# Altium PCB SAMW25_Xplained_Pro.PcbDoc (part 5 of 9) (continued)
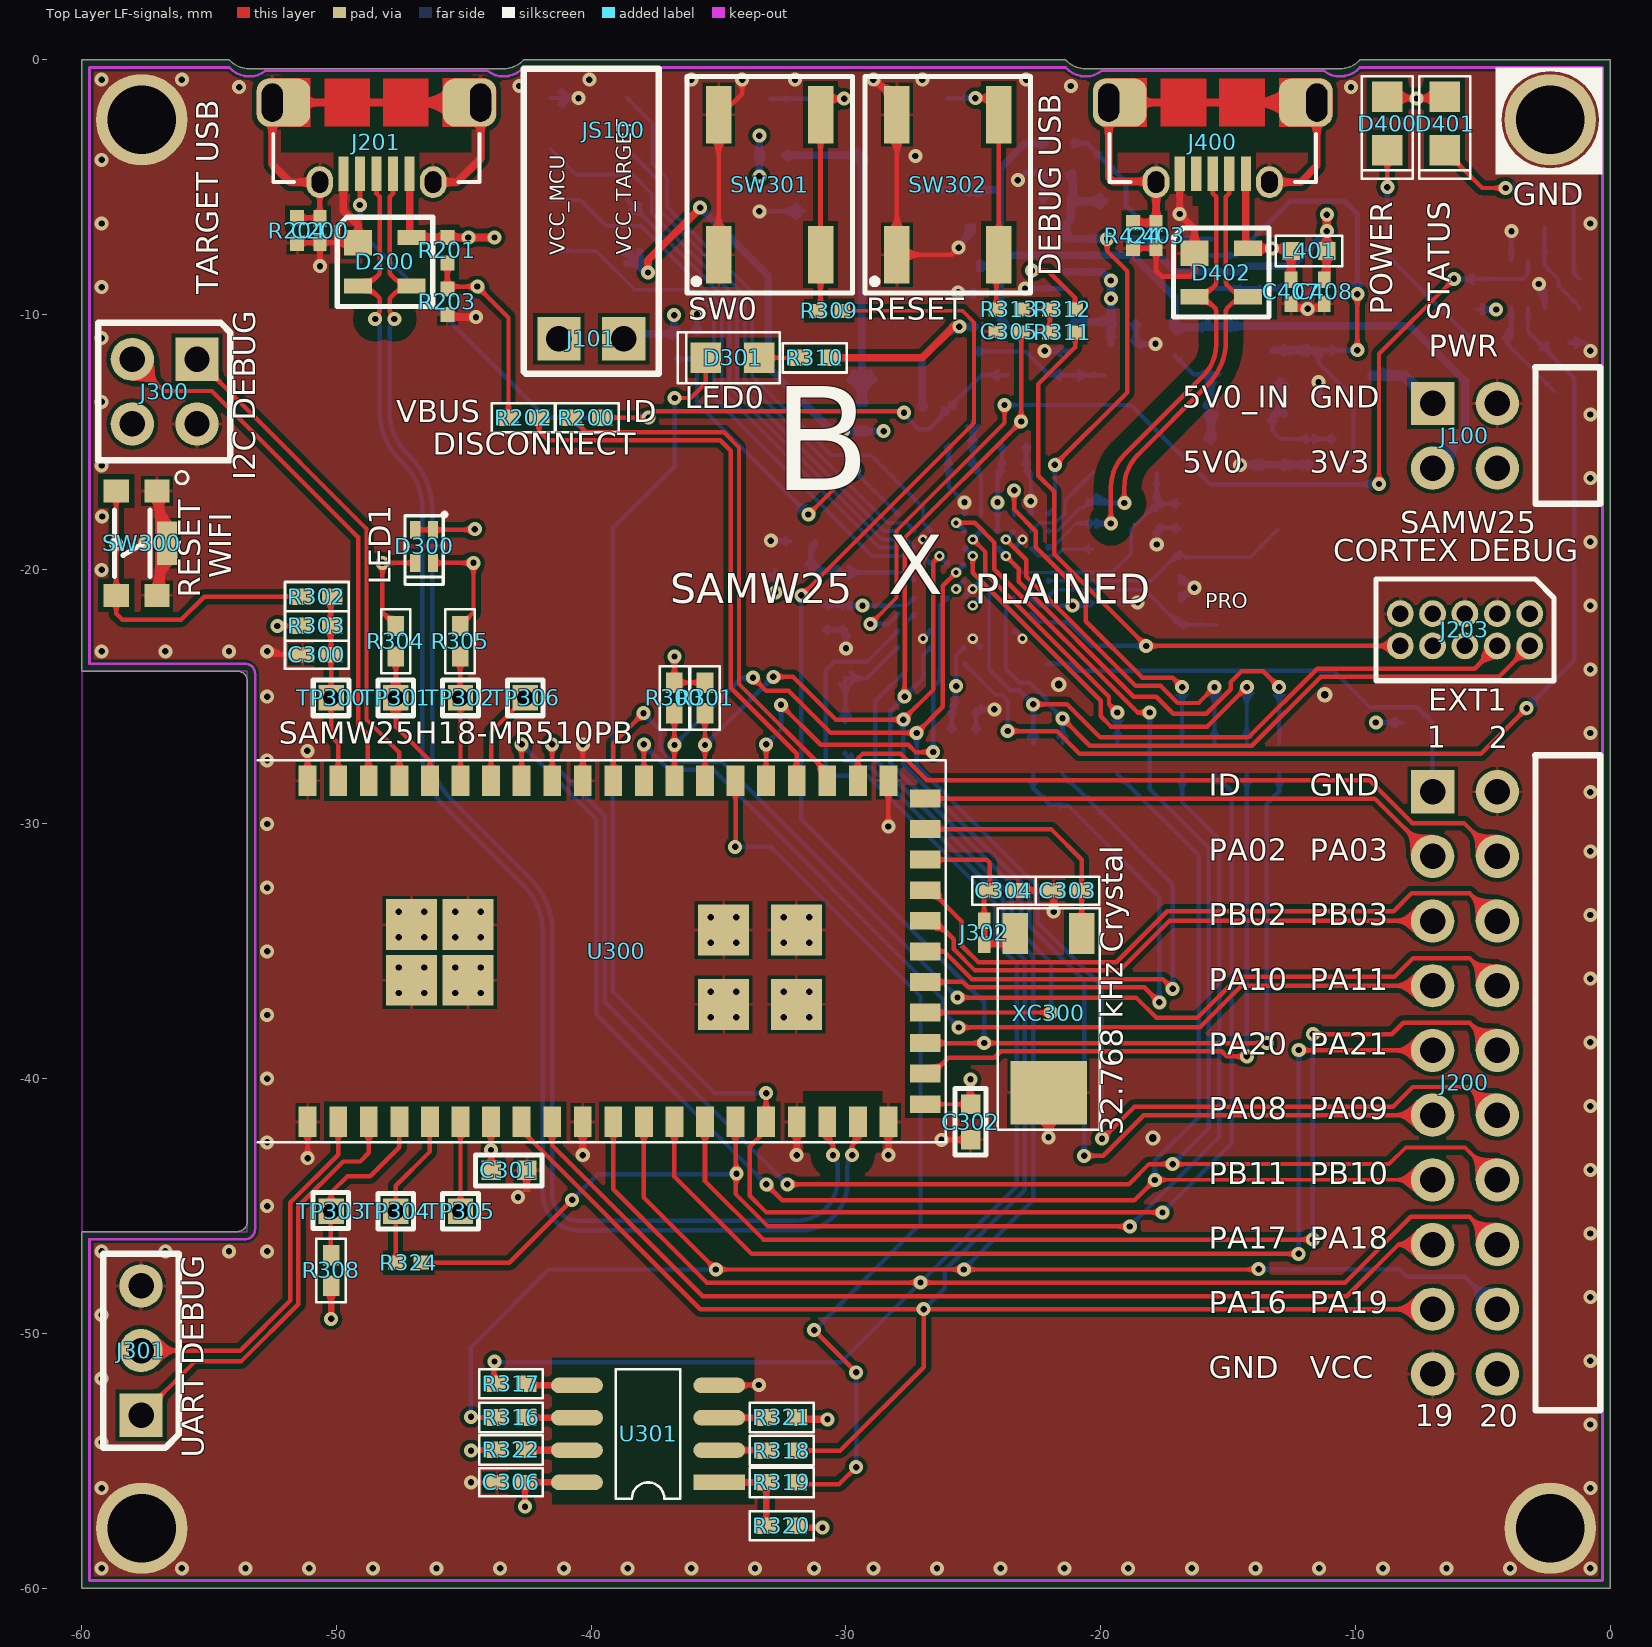
[diagram p0: Top Layer LF-signals view]
## Nets (pads, with @x,y where several pads share a name; then routed paths per layer and width w, separated by ;. In a path a pad name is that pad's centre, name@x,y a point inside that pad or via, vN(x,y) a via of type N, cw(c..) or ccw(c..) an arc to the next point about the centre after c; other vN are vias at no path point) (continued)
  Bottom Layer LF-signals w0.3: v1(-14.525,-15.9) Q102.2@-13.25,-15.9 -11.796,-15.9 R108.1@-11.775,-15.879 ; v1@-14.437,-15.988 cw(c-14.223,-16.202) -14.223,-15.9 ; v1@-14.437,-15.988 cw(c-14.223,-16.202) -14.223,-15.9 ; v1@-14.437,-15.988 cw(c-14.223,-16.202) -14.223,-15.9 ; v1@-14.437,-15.812 ccw(c-14.223,-15.598) -14.223,-15.9 ; v1@-14.437,-15.812 ccw(c-14.223,-15.598) -14.223,-15.9 ; v1@-14.437,-15.812 ccw(c-14.223,-15.598) -14.223,-15.9 ; -13.962,-15.9 cw(c-13.962,-16.262) Q102.2@-13.706,-16.006 ; -13.962,-15.9 ccw(c-13.962,-15.538) Q102.2@-13.706,-15.794 ; -13.962,-15.9 ccw(c-13.962,-15.538) Q102.2@-13.706,-15.794 ; -13.962,-15.9 cw(c-13.962,-16.262) Q102.2@-13.706,-16.006 ; -13.962,-15.9 ccw(c-13.962,-15.538) Q102.2@-13.706,-15.794 ; -13.962,-15.9 cw(c-13.962,-16.262) Q102.2@-13.706,-16.006 ; Q102.2@-12.794,-16.006 cw(c-12.538,-16.262) -12.538,-15.9 ; Q102.2@-12.794,-16.006 cw(c-12.538,-16.262) -12.538,-15.9 ; Q102.2@-12.794,-16.006 cw(c-12.538,-16.262) -12.538,-15.9 ; Q102.2@-12.794,-15.794 ccw(c-12.538,-15.538) -12.538,-15.9 ; Q102.2@-12.794,-15.794 ccw(c-12.538,-15.538) -12.538,-15.9 ; Q102.2@-12.794,-15.794 ccw(c-12.538,-15.538) -12.538,-15.9 ; -12.087,-15.9 cw(c-12.087,-16.216) R108.1@-11.863,-15.993 ; -12.087,-15.9 cw(c-12.087,-16.216) R108.1@-11.863,-15.993 ; -12.087,-15.9 cw(c-12.087,-16.216) R108.1@-11.863,-15.993 ; -12.067,-15.9 ccw(c-12.067,-15.612) R108.1@-11.863,-15.816 ; -12.067,-15.9 ccw(c-12.067,-15.612) R108.1@-11.863,-15.816 ; -12.067,-15.9 ccw(c-12.067,-15.612) R108.1@-11.863,-15.816
  other v1: -59.225,-59.225 -56.075,-59.225 -53.575,-59.225 -51.075,-59.225 -48.575,-59.225 -46.075,-59.225 -43.575,-59.225 -41.075,-59.225 -38.575,-59.225 -36.075,-59.225 -33.575,-59.225 -31.25,-59.225 -28.925,-59.225 -26.425,-59.225 -23.925,-59.225 -21.425,-59.225 -18.925,-59.225 -16.425,-59.225 -13.925,-59.225 -11.425,-59.225 -8.925,-59.225 -6.425,-59.225 -3.925,-59.225 -0.775,-59.225 -59.225,-56.075 -0.775,-56.075 -59.225,-54.275 -0.775,-53.575 -59.225,-51.775 -0.775,-51.075 -59.225,-49.275 -0.775,-48.575 -59.225,-46.775 -56.725,-46.775 -54.225,-46.775 -52.725,-46.775 -0.775,-46.075 -52.725,-45 -42.875,-44.65 -0.775,-43.575 -51.135,-43.117 -52.725,-42.5 -0.775,-41.075 -52.725,-40 -0.775,-38.575 -52.725,-37.5 -0.775,-36.075 -52.725,-35 -0.775,-33.575 -52.725,-32.5 -0.775,-31.075 -52.725,-30 -0.775,-28.75 -52.725,-27.5 -40.335,-26.875 -0.775,-26.425 -52.725,-25 -0.775,-23.925 -59.225,-23.225 -56.725,-23.225 -54.225,-23.225 -52.725,-23.225 -0.775,-21.425 -59.225,-20.025 -0.775,-18.925 -59.2,-17.925 -0.775,-16.425 -59.225,-15.925 -0.775,-13.925 -59.225,-13.425 -59.225,-10.925 -25.6,-9.125 -59.225,-8.925 -59.225,-6.425 -0.775,-6.425 -59.225,-3.925 -0.775,-3.925 -27.275,-3.775 -53.825,-1.075 -10.175,-1.075 -42.825,-1.025 -21.175,-1.025 -59.225,-0.775 -56.075,-0.775 -40.075,-0.775 -36.075,-0.775 -32,-0.775 -27,-0.775 -22.925,-0.775 -3.925,-0.775 -0.775,-0.775
  other v2: -35.304,-37.582 -34.304,-37.582 -32.449,-37.582 -31.449,-37.582 -47.56,-36.634 -46.56,-36.634 -45.342,-36.634 -44.342,-36.634 -35.304,-36.582 -34.304,-36.582 -32.449,-36.582 -31.449,-36.582 -47.56,-35.634 -46.56,-35.634 -45.342,-35.634 -44.342,-35.634 -35.304,-34.658 -34.304,-34.658 -32.449,-34.658 -31.449,-34.658 -47.56,-34.452 -46.56,-34.452 -45.342,-34.452 -44.342,-34.452 -35.304,-33.658 -34.304,-33.658 -32.449,-33.658 -31.449,-33.658 -47.56,-33.452 -46.56,-33.452 -45.342,-33.452 -44.342,-33.452
  other v6: -17.95,-42.325 -11.2,-24.925 -21.65,-24.525
GPIO_15: TP306.1 U300.45 | length 3.8
  Top Layer LF-signals w0.175: U300.45@-43.935,-28.296 -43.935,-26.39 TP306.1@-42.595,-25.05
GPIO_16: R305.2 TP302.1 U300.46 | length 7.6
  Top Layer LF-signals w0.175: R305.2@-45.15,-23.425 -45.15,-25.035 TP302.1@-45.135,-25.05 U300.46@-45.135,-28.296 ; R305.2@-45.318,-23.668 cw(c-45.723,-24.073) -45.15,-24.073 ; R305.2@-45.318,-23.668 cw(c-45.723,-24.073) -45.15,-24.073 ; R305.2@-45.318,-23.668 cw(c-45.723,-24.073) -45.15,-24.073 ; -45.15,-24.073 cw(c-44.577,-24.073) R305.2@-44.982,-23.668 ; -45.15,-24.073 cw(c-44.577,-24.073) R305.2@-44.982,-23.668 ; -45.15,-24.073 cw(c-44.577,-24.073) R305.2@-44.982,-23.668
GPIO_18: R304.2 TP301.1 U300.47 | length 25.2
  Top Layer LF-signals w0.175: R304.2@-47.675,-23.425 TP301.1@-47.675,-25.05 -47.675,-26.175 -46.335,-27.515 ; U300.47@-46.335,-28.296 -46.335,-27.515 ; TP301.1@-47.967,-25.342 cw(c-48.671,-26.046) -47.675,-26.046 ; TP301.1@-47.967,-25.342 cw(c-48.671,-26.046) -47.675,-26.046 ; TP301.1@-47.967,-25.342 cw(c-48.671,-26.046) -47.675,-26.046 ; TP301.1@-47.967,-24.758 ccw(c-48.671,-24.054) -47.675,-24.054 ; TP301.1@-47.967,-24.758 ccw(c-48.671,-24.054) -47.675,-24.054 ; TP301.1@-47.967,-24.758 ccw(c-48.671,-24.054) -47.675,-24.054 ; TP301.1@-47.843,-25.218 cw(c-48.248,-25.623) -47.675,-25.623 ; TP301.1@-47.843,-25.218 cw(c-48.248,-25.623) -47.675,-25.623 ; TP301.1@-47.843,-25.218 cw(c-48.248,-25.623) -47.675,-25.623 ; TP301.1@-47.843,-24.882 ccw(c-48.248,-24.477) -47.675,-24.477 ; TP301.1@-47.843,-24.882 ccw(c-48.248,-24.477) -47.675,-24.477 ; TP301.1@-47.843,-24.882 ccw(c-48.248,-24.477) -47.675,-24.477 ; R304.2@-47.843,-23.668 cw(c-48.248,-24.073) -47.675,-24.073 ; R304.2@-47.843,-23.668 cw(c-48.248,-24.073) -47.675,-24.073 ; R304.2@-47.843,-23.668 cw(c-48.248,-24.073) -47.675,-24.073 ; -47.675,-26.046 cw(c-46.679,-26.046) TP301.1@-47.383,-25.342 ; -47.675,-26.046 cw(c-46.679,-26.046) TP301.1@-47.383,-25.342 ; -47.675,-26.046 cw(c-46.679,-26.046) TP301.1@-47.383,-25.342 ; -47.675,-25.623 cw(c-47.102,-25.623) TP301.1@-47.507,-25.218 ; -47.675,-25.623 cw(c-47.102,-25.623) TP301.1@-47.507,-25.218 ; -47.675,-25.623 cw(c-47.102,-25.623) TP301.1@-47.507,-25.218 ; -47.675,-24.477 ccw(c-47.102,-24.477) TP301.1@-47.507,-24.882 ; -47.675,-24.477 ccw(c-47.102,-24.477) TP301.1@-47.507,-24.882 ; -47.675,-24.477 ccw(c-47.102,-24.477) TP301.1@-47.507,-24.882 ; -47.675,-24.073 cw(c-47.102,-24.073) R304.2@-47.507,-23.668 ; -47.675,-24.073 cw(c-47.102,-24.073) R304.2@-47.507,-23.668 ; -47.675,-24.073 cw(c-47.102,-24.073) R304.2@-47.507,-23.668 ; -47.675,-24.054 ccw(c-46.679,-24.054) TP301.1@-47.383,-24.758 ; -47.675,-24.054 ccw(c-46.679,-24.054) TP301.1@-47.383,-24.758 ; -47.675,-24.054 ccw(c-46.679,-24.054) TP301.1@-47.383,-24.758 ; U300.47@-46.495,-27.838 ccw(c-46.742,-27.515) -46.335,-27.515 ; U300.47@-46.495,-27.838 ccw(c-46.742,-27.515) -46.335,-27.515 ; U300.47@-46.495,-27.838 ccw(c-46.742,-27.515) -46.335,-27.515 ; -46.335,-27.515 ccw(c-45.929,-27.515) U300.47@-46.176,-27.838 ; -46.335,-27.515 ccw(c-45.929,-27.515) U300.47@-46.176,-27.838 ; -46.335,-27.515 ccw(c-45.929,-27.515) U300.47@-46.176,-27.838
I2C_SCL: J300.1 U300.48 | length 22.8
  Top Layer LF-signals w0.175: J300.1@-55.48,-11.755 -53.95,-13.285 -53.95,-13.29 -48.825,-18.415 -48.825,-25.9 -47.535,-27.19 U300.48@-47.535,-28.296 ; U300.48@-47.721,-27.861 ccw(c-48.169,-27.412) -47.535,-27.412 ; U300.48@-47.721,-27.861 ccw(c-48.169,-27.412) -47.535,-27.412 ; U300.48@-47.721,-27.861 ccw(c-48.169,-27.412) -47.535,-27.412 ; -47.535,-27.412 ccw(c-46.901,-27.412) U300.48@-47.35,-27.861 ; -47.535,-27.412 ccw(c-46.901,-27.412) U300.48@-47.35,-27.861 ; -47.535,-27.412 ccw(c-46.901,-27.412) U300.48@-47.35,-27.861
I2C_SDA: J300.3 U300.49 | length 24.5
  Top Layer LF-signals w0.175: J300.3@-58.02,-11.755 -56.775,-13 -54.9,-13 -49.15,-18.75 -49.15,-26.125 -48.775,-26.5 -48.775,-28.256 U300.49@-48.735,-28.296 ; U300.49@-48.921,-27.861 ccw(c-49.273,-27.509) -48.775,-27.509 ; U300.49@-48.921,-27.861 ccw(c-49.273,-27.509) -48.775,-27.509 ; U300.49@-48.921,-27.861 ccw(c-49.273,-27.509) -48.775,-27.509 ; -48.775,-27.316 ccw(c-48.005,-27.316) U300.49@-48.55,-27.861 ; -48.775,-27.316 ccw(c-48.005,-27.316) U300.49@-48.55,-27.861 ; -48.775,-27.316 ccw(c-48.005,-27.316) U300.49@-48.55,-27.861
ID1: J200.1@-6.97,-28.73 R409.1 U400.A1 | length 18.8
  Bottom Layer LF-signals w0.15: R409.1@-6.976,-26.017 -6.976,-28.724 J200.1@-6.97,-28.73
  Bottom Layer LF-signals w0.175: U400.A1@-22.1,-23.7 -21.179,-23.7 -20.904,-23.975 -10.875,-23.975 -9.426,-25.424 -7.569,-25.424 R409.1@-6.976,-26.017
INPUT_VOLTAGE_DETECTED: Q100.2 Q101.3 R104.2 U101.2 | length 34.5
  Top Layer LF-signals w0.175: v1(-9.925,-11.4) v3(-9.925,-9.2)
  Bottom Layer LF-signals w0.15: Q100.2@-11.45,-11.4 -11.45,-11.9 ; R104.2@-10.8,-15.879 -10.279,-15.879 -10.075,-15.675 -10.075,-13.275 -11.45,-11.9 ; Q100.2@-11.599,-11.568 cw(c-11.893,-11.9) -11.45,-11.9 ; Q100.2@-11.599,-11.568 cw(c-11.893,-11.9) -11.45,-11.9 ; Q100.2@-11.599,-11.568 cw(c-11.893,-11.9) -11.45,-11.9 ; -11.45,-11.9 cw(c-11.007,-11.9) Q100.2@-11.301,-11.568 ; -11.45,-11.9 cw(c-11.007,-11.9) Q100.2@-11.301,-11.568 ; -11.45,-11.9 cw(c-11.007,-11.9) Q100.2@-11.301,-11.568 ; R104.2@-10.659,-16.021 cw(c-10.317,-16.362) -10.317,-15.879 ; R104.2@-10.659,-16.021 cw(c-10.317,-16.362) -10.317,-15.879 ; R104.2@-10.659,-16.021 cw(c-10.317,-16.362) -10.317,-15.879 ; R104.2@-10.659,-15.738 ccw(c-10.317,-15.396) -10.317,-15.879 ; R104.2@-10.659,-15.738 ccw(c-10.317,-15.396) -10.317,-15.879 ; R104.2@-10.659,-15.738 ccw(c-10.317,-15.396) -10.317,-15.879
  Bottom Layer LF-signals w0.175: Q100.2@-11.45,-11.4 v1(-9.925,-11.4) ; Q100.2@-10.95,-11.55 cw(c-10.587,-11.913) -10.587,-11.4 ; Q100.2@-10.95,-11.55 cw(c-10.587,-11.913) -10.587,-11.4 ; Q100.2@-10.95,-11.55 cw(c-10.587,-11.913) -10.587,-11.4 ; Q100.2@-10.95,-11.25 ccw(c-10.587,-10.887) -10.587,-11.4 ; Q100.2@-10.95,-11.25 ccw(c-10.587,-10.887) -10.587,-11.4 ; Q100.2@-10.95,-11.25 ccw(c-10.587,-10.887) -10.587,-11.4 ; -10.378,-11.4 cw(c-10.378,-11.853) v1@-10.058,-11.533 ; -10.378,-11.4 ccw(c-10.378,-10.947) v1@-10.058,-11.267 ; -10.378,-11.4 ccw(c-10.378,-10.947) v1@-10.058,-11.267 ; -10.378,-11.4 cw(c-10.378,-11.853) v1@-10.058,-11.533 ; -10.378,-11.4 ccw(c-10.378,-10.947) v1@-10.058,-11.267 ; -10.378,-11.4 cw(c-10.378,-11.853) v1@-10.058,-11.533
  Bottom Layer LF-signals w0.2: U101.2@-15.65,-7.675 -14.675,-7.675 -12.55,-5.55 -10.425,-5.55 -9.925,-6.05 v3(-9.925,-9.2) ; U101.2@-14.922,-7.728 cw(c-14.794,-7.856) -14.794,-7.675 ; U101.2@-14.922,-7.728 cw(c-14.794,-7.856) -14.794,-7.675 ; U101.2@-14.922,-7.728 cw(c-14.794,-7.856) -14.794,-7.675 ; U101.2@-14.922,-7.622 ccw(c-14.794,-7.494) -14.794,-7.675 ; U101.2@-14.922,-7.622 ccw(c-14.794,-7.494) -14.794,-7.675 ; U101.2@-14.922,-7.622 ccw(c-14.794,-7.494) -14.794,-7.675
  Bottom Layer LF-signals w0.3: Q101.3@-13.25,-11.4 Q100.2@-11.45,-11.4 ; Q101.3@-12.794,-11.506 cw(c-12.538,-11.762) -12.538,-11.4 ; Q101.3@-12.794,-11.506 cw(c-12.538,-11.762) -12.538,-11.4 ; Q101.3@-12.794,-11.506 cw(c-12.538,-11.762) -12.538,-11.4 ; Q101.3@-12.794,-11.294 ccw(c-12.538,-11.038) -12.538,-11.4 ; Q101.3@-12.794,-11.294 ccw(c-12.538,-11.038) -12.538,-11.4 ; Q101.3@-12.794,-11.294 ccw(c-12.538,-11.038) -12.538,-11.4 ; -12.162,-11.4 cw(c-12.162,-11.762) Q100.2@-11.906,-11.506 ; -12.162,-11.4 ccw(c-12.162,-11.038) Q100.2@-11.906,-11.294 ; -12.162,-11.4 ccw(c-12.162,-11.038) Q100.2@-11.906,-11.294 ; -12.162,-11.4 cw(c-12.162,-11.762) Q100.2@-11.906,-11.506 ; -12.162,-11.4 ccw(c-12.162,-11.038) Q100.2@-11.906,-11.294 ; -12.162,-11.4 cw(c-12.162,-11.762) Q100.2@-11.906,-11.506
LED_GREEN: D300.3 R305.1 | length 5.6
  Top Layer LF-signals w0.175: D300.3@-46.213,-19.75 v3(-44.625,-19.75) -44.625,-21.7 R305.1@-45.15,-22.225 ; D300.3@-46.133,-19.83 cw(c-45.941,-20.022) -45.941,-19.75 ; D300.3@-46.133,-19.83 cw(c-45.941,-20.022) -45.941,-19.75 ; D300.3@-46.133,-19.83 cw(c-45.941,-20.022) -45.941,-19.75 ; D300.3@-46.133,-19.67 ccw(c-45.941,-19.478) -45.941,-19.75 ; D300.3@-46.133,-19.67 ccw(c-45.941,-19.478) -45.941,-19.75 ; D300.3@-46.133,-19.67 ccw(c-45.941,-19.478) -45.941,-19.75
LED_RED: D300.4 R304.1 | length 11.8
  Top Layer LF-signals w0.175: R304.1@-47.675,-22.225 -48.2,-21.7 ; -47.35,-19.75 D300.4@-46.912,-19.75 v3(-48.2,-19.75) -48.2,-21.7 ; v3@-48.333,-19.883 cw(c-48.653,-20.203) -48.2,-20.203 ; v3@-48.333,-19.883 cw(c-48.653,-20.203) -48.2,-20.203 ; v3@-48.333,-19.883 cw(c-48.653,-20.203) -48.2,-20.203 ; -48.2,-21.7 ccw(c-47.687,-21.187) R304.1@-47.678,-21.913 ; -48.2,-21.7 ccw(c-47.687,-21.187) R304.1@-47.678,-21.913 ; -48.2,-21.7 ccw(c-47.687,-21.187) R304.1@-47.678,-21.913 ; -48.2,-20.203 cw(c-47.747,-20.203) v3@-48.067,-19.883 ; -48.2,-20.203 cw(c-47.747,-20.203) v3@-48.067,-19.883 ; -48.2,-20.203 cw(c-47.747,-20.203) v3@-48.067,-19.883 ; -48.027,-21.873 cw(c-48.305,-22.15) R304.1@-47.913,-22.15 ; -48.027,-21.873 cw(c-48.305,-22.15) R304.1@-47.913,-22.15 ; -48.027,-21.873 cw(c-48.305,-22.15) R304.1@-47.913,-22.15 ; -47.184,-19.75 cw(c-47.184,-20.022) D300.4@-46.992,-19.83 ; -47.184,-19.75 ccw(c-47.184,-19.478) D300.4@-46.992,-19.67 ; -47.184,-19.75 cw(c-47.184,-20.022) D300.4@-46.992,-19.83 ; -47.184,-19.75 ccw(c-47.184,-19.478) D300.4@-46.992,-19.67 ; -47.184,-19.75 ccw(c-47.184,-19.478) D300.4@-46.992,-19.67 ; -47.184,-19.75 cw(c-47.184,-20.022) D300.4@-46.992,-19.83 ; -47.184,-19.75 ccw(c-47.184,-19.478) D300.4@-46.992,-19.67 ; -47.184,-19.75 cw(c-47.184,-20.022) D300.4@-46.992,-19.83 ; -47.184,-19.75 ccw(c-47.184,-19.478) D300.4@-46.992,-19.67 ; -47.184,-19.75 cw(c-47.184,-20.022) D300.4@-46.992,-19.83 ; -47.184,-19.75 ccw(c-47.184,-19.478) D300.4@-46.992,-19.67 ; -47.184,-19.75 cw(c-47.184,-20.022) D300.4@-46.992,-19.83
NetC300_1: C300.1 R302.2 R303.1 TP300.1 U300.50 | length 20.3
  Top Layer LF-signals w0.175: R302.2@-50.175,-21.075 -50.215,-21.115 TP300.1@-50.215,-25.05 -50.215,-26.545 -49.935,-26.825 U300.50@-49.935,-28.296 ; R303.1@-50.418,-22.393 cw(c-50.908,-22.883) -50.215,-22.883 ; R303.1@-50.418,-22.393 cw(c-50.908,-22.883) -50.215,-22.883 ; R303.1@-50.418,-22.393 cw(c-50.908,-22.883) -50.215,-22.883 ; R303.1@-50.418,-22.057 ccw(c-50.908,-21.567) -50.215,-21.567 ; R303.1@-50.418,-22.057 ccw(c-50.908,-21.567) -50.215,-21.567 ; R303.1@-50.418,-22.057 ccw(c-50.908,-21.567) -50.215,-21.567 ; R302.2@-50.418,-21.243 cw(c-50.908,-21.733) -50.215,-21.733 ; R302.2@-50.418,-21.243 cw(c-50.908,-21.733) -50.215,-21.733 ; R302.2@-50.418,-21.243 cw(c-50.908,-21.733) -50.215,-21.733 ; C300.1@-50.375,-23.5 cw(c-50.762,-23.887) -50.215,-23.887 ; C300.1@-50.375,-23.5 cw(c-50.762,-23.887) -50.215,-23.887 ; C300.1@-50.375,-23.5 cw(c-50.762,-23.887) -50.215,-23.887 ; C300.1@-50.375,-23.2 ccw(c-50.762,-22.813) -50.215,-22.813 ; C300.1@-50.375,-23.2 ccw(c-50.762,-22.813) -50.215,-22.813 ; C300.1@-50.375,-23.2 ccw(c-50.762,-22.813) -50.215,-22.813 ; -50.215,-23.839 cw(c-49.736,-23.839) C300.1@-50.075,-23.5 ; -50.215,-23.839 cw(c-49.736,-23.839) C300.1@-50.075,-23.5 ; -50.215,-23.839 cw(c-49.736,-23.839) C300.1@-50.075,-23.5 ; -50.215,-22.861 ccw(c-49.736,-22.861) C300.1@-50.075,-23.2 ; -50.215,-22.861 ccw(c-49.736,-22.861) C300.1@-50.075,-23.2 ; -50.215,-22.861 ccw(c-49.736,-22.861) C300.1@-50.075,-23.2 ; -50.215,-22.714 cw(c-49.761,-22.714) R303.1@-50.082,-22.393 ; -50.215,-22.714 cw(c-49.761,-22.714) R303.1@-50.082,-22.393 ; -50.215,-22.714 cw(c-49.761,-22.714) R303.1@-50.082,-22.393 ; -50.215,-21.736 ccw(c-49.761,-21.736) R303.1@-50.082,-22.057 ; -50.215,-21.736 ccw(c-49.761,-21.736) R303.1@-50.082,-22.057 ; -50.215,-21.736 ccw(c-49.761,-21.736) R303.1@-50.082,-22.057 ; -50.215,-21.564 cw(c-49.761,-21.564) R302.2@-50.082,-21.243 ; -50.215,-21.564 cw(c-49.761,-21.564) R302.2@-50.082,-21.243 ; -50.215,-21.564 cw(c-49.761,-21.564) R302.2@-50.082,-21.243
NetC402_1: C402.1 pad.3@-17.8,-16.25 R423.2 U400.C7 | length 19.5
  Bottom Layer LF-signals w0.125: -23.075,-20.125 -21.953,-20.125
  Bottom Layer LF-signals w0.15: U400.C7@-23.4,-19.8 -23.075,-20.125 ; -21.953,-20.125 -19.55,-20.125 -18.8,-19.375 -18.8,-18.425 C402.1@-17.8,-17.425 R423.2@-16.925,-17.425 ; U400.C7@-23.4,-19.865 cw(c-23.4,-20.022) -23.289,-19.911 ; U400.C7@-23.4,-19.865 cw(c-23.4,-20.022) -23.289,-19.911 ; U400.C7@-23.4,-19.865 cw(c-23.4,-20.022) -23.289,-19.911 ; U400.C7@-23.335,-19.8 ccw(c-23.178,-19.8) -23.289,-19.911 ; U400.C7@-23.335,-19.8 ccw(c-23.178,-19.8) -23.289,-19.911 ; U400.C7@-23.335,-19.8 ccw(c-23.178,-19.8) -23.289,-19.911 ; -18.227,-17.852 cw(c-17.8,-18.279) C402.1@-17.8,-17.675 ; -18.227,-17.852 cw(c-17.8,-18.279) C402.1@-17.8,-17.675 ; -18.227,-17.852 cw(c-17.8,-18.279) C402.1@-17.8,-17.675 ; -18.111,-17.758 ccw(c-18.219,-17.354) C402.1@-17.824,-17.492 ; -18.111,-17.758 ccw(c-18.219,-17.354) C402.1@-17.824,-17.492 ; -18.111,-17.758 ccw(c-18.219,-17.354) C402.1@-17.824,-17.492 ; C402.1@-18.046,-17.671 ccw(c-18.216,-17.5) C402.1@-17.975,-17.5 ; C402.1@-18.046,-17.671 ccw(c-18.216,-17.5) C402.1@-17.975,-17.5 ; C402.1@-18.046,-17.671 ccw(c-18.216,-17.5) C402.1@-17.975,-17.5 ; C402.1@-17.676,-17.549 cw(c-17.378,-17.847) -17.378,-17.425 ; C402.1@-17.676,-17.549 cw(c-17.378,-17.847) -17.378,-17.425 ; C402.1@-17.676,-17.549 cw(c-17.378,-17.847) -17.378,-17.425 ; C402.1@-17.676,-17.301 ccw(c-17.378,-17.003) -17.378,-17.425 ; C402.1@-17.676,-17.301 ccw(c-17.378,-17.003) -17.378,-17.425 ; C402.1@-17.676,-17.301 ccw(c-17.378,-17.003) -17.378,-17.425 ; -17.383,-17.425 cw(c-17.383,-17.908) R423.2@-17.041,-17.566 ; -17.383,-17.425 ccw(c-17.383,-16.942) R423.2@-17.041,-17.284 ; -17.383,-17.425 ccw(c-17.383,-16.942) R423.2@-17.041,-17.284 ; -17.383,-17.425 cw(c-17.383,-17.908) R423.2@-17.041,-17.566 ; -17.383,-17.425 ccw(c-17.383,-16.942) R423.2@-17.041,-17.284 ; -17.383,-17.425 cw(c-17.383,-17.908) R423.2@-17.041,-17.566
  Bottom Layer LF-signals w0.175: C402.1@-17.8,-17.425 pad.3@-17.8,-16.25 ; C402.1@-17.915,-17.235 ccw(c-18.192,-16.958) -17.8,-16.958 ; C402.1@-17.915,-17.235 ccw(c-18.192,-16.958) -17.8,-16.958 ; C402.1@-17.915,-17.235 ccw(c-18.192,-16.958) -17.8,-16.958 ; -17.8,-16.958 ccw(c-17.408,-16.958) C402.1@-17.685,-17.235 ; -17.8,-16.958 ccw(c-17.408,-16.958) C402.1@-17.685,-17.235 ; -17.8,-16.958 ccw(c-17.408,-16.958) C402.1@-17.685,-17.235
NetC404_1: C404.1 L402.2 pad.0@-30.105,-20.125 U400.J6 | length 29.5
  Bottom Layer LF-signals w0.125: -28.115,-20.125 -27.803,-20.125
  Bottom Layer LF-signals w0.15: -27.803,-20.125 -27.625,-20.125 U400.J6@-27.3,-20.45 ; -27.411,-20.339 cw(c-27.522,-20.45) U400.J6@-27.365,-20.45 ; -27.411,-20.339 ccw(c-27.3,-20.228) U400.J6@-27.3,-20.385 ; -27.411,-20.339 ccw(c-27.3,-20.228) U400.J6@-27.3,-20.385 ; -27.411,-20.339 cw(c-27.522,-20.45) U400.J6@-27.365,-20.45 ; -27.411,-20.339 ccw(c-27.3,-20.228) U400.J6@-27.3,-20.385 ; -27.411,-20.339 cw(c-27.522,-20.45) U400.J6@-27.365,-20.45
  Bottom Layer LF-signals w0.175: C404.1@-31.2,-18.9 -31.375,-19.075 L402.2@-31.375,-20 -31.25,-20.125 pad.0@-30.105,-20.125 -28.115,-20.125 ; L402.2@-31.561,-19.814 ccw(c-32.009,-19.366) -31.375,-19.366 ; L402.2@-31.561,-19.814 ccw(c-32.009,-19.366) -31.375,-19.366 ; L402.2@-31.561,-19.814 ccw(c-32.009,-19.366) -31.375,-19.366 ; -31.375,-19.534 cw(c-30.641,-19.534) C404.1@-31.16,-19.015 ; -31.375,-19.534 cw(c-30.641,-19.534) C404.1@-31.16,-19.015 ; -31.375,-19.534 cw(c-30.641,-19.534) C404.1@-31.16,-19.015 ; -31.375,-19.366 ccw(c-30.741,-19.366) L402.2@-31.189,-19.814 ; -31.375,-19.366 ccw(c-30.741,-19.366) L402.2@-31.189,-19.814 ; -31.375,-19.366 ccw(c-30.741,-19.366) L402.2@-31.189,-19.814 ; C404.1@-31.361,-19.038 cw(c-31.451,-19.181) -31.305,-19.265 ; C404.1@-31.361,-19.038 cw(c-31.451,-19.181) -31.305,-19.265 ; C404.1@-31.361,-19.038 cw(c-31.451,-19.181) -31.305,-19.265 ; L402.2@-31.313,-19.938 ccw(c-30.862,-19.487) -30.862,-20.125 ; L402.2@-31.313,-19.938 ccw(c-30.862,-19.487) -30.862,-20.125 ; L402.2@-31.313,-19.938 ccw(c-30.862,-19.487) -30.862,-20.125 ; L402.2@-31.189,-20.186 cw(c-31.043,-20.332) L402.2@-31.043,-20.125 ; L402.2@-31.189,-20.186 cw(c-31.043,-20.332) L402.2@-31.043,-20.125 ; L402.2@-31.189,-20.186 cw(c-31.043,-20.332) L402.2@-31.043,-20.125 ; L402.2@-31.189,-19.814 ccw(c-30.439,-19.064) pad.0@-30.439,-20.125 ; L402.2@-31.189,-19.814 ccw(c-30.439,-19.064) pad.0@-30.439,-20.125 ; L402.2@-31.189,-19.814 ccw(c-30.439,-19.064) pad.0@-30.439,-20.125 ; -30.859,-20.125 cw(c-30.859,-20.879) pad.0@-30.326,-20.346 ; -30.859,-20.125 ccw(c-30.859,-19.371) pad.0@-30.326,-19.904 ; -30.859,-20.125 ccw(c-30.859,-19.371) pad.0@-30.326,-19.904 ; -30.859,-20.125 cw(c-30.859,-20.879) pad.0@-30.326,-20.346 ; -30.859,-20.125 ccw(c-30.859,-19.371) pad.0@-30.326,-19.904 ; -30.859,-20.125 cw(c-30.859,-20.879) pad.0@-30.326,-20.346 ; -30.825,-20.022 ccw(c-30.685,-19.5) pad.0@-30.317,-19.896 ; -30.825,-20.022 ccw(c-30.685,-19.5) pad.0@-30.317,-19.896 ; -30.825,-20.022 ccw(c-30.685,-19.5) pad.0@-30.317,-19.896 ; -30.825,-20.022 ccw(c-30.685,-19.5) pad.0@-30.317,-19.896 ; -30.825,-20.022 ccw(c-30.685,-19.5) pad.0@-30.317,-19.896 ; -30.654,-20.068 cw(c-30.772,-20.511) pad.0@-30.375,-20.281 ; -30.654,-20.068 cw(c-30.772,-20.511) pad.0@-30.375,-20.281 ; -30.654,-20.068 cw(c-30.772,-20.511) pad.0@-30.375,-20.281 ; -30.654,-20.068 cw(c-30.772,-20.511) pad.0@-30.375,-20.281 ; -30.654,-20.068 cw(c-30.772,-20.511) pad.0@-30.375,-20.281 ; -30.519,-20.104 ccw(c-30.43,-19.774) pad.0@-30.198,-20.024 ; -30.519,-20.104 ccw(c-30.43,-19.774) pad.0@-30.198,-20.024 ; -30.519,-20.104 ccw(c-30.43,-19.774) pad.0@-30.198,-20.024 ; -30.519,-20.104 ccw(c-30.43,-19.774) pad.0@-30.198,-20.024 ; -30.519,-20.104 ccw(c-30.43,-19.774) pad.0@-30.198,-20.024 ; pad.0@-29.884,-20.346 cw(c-29.35,-20.879) -29.35,-20.125 ; pad.0@-29.884,-20.346 cw(c-29.35,-20.879) -29.35,-20.125 ; pad.0@-29.884,-20.346 cw(c-29.35,-20.879) -29.35,-20.125 ; pad.0@-29.884,-19.904 ccw(c-29.35,-19.371) -29.35,-20.125 ; pad.0@-29.884,-19.904 ccw(c-29.35,-19.371) -29.35,-20.125 ; pad.0@-29.884,-19.904 ccw(c-29.35,-19.371) -29.35,-20.125